# Altium PCB PCB_3U_RJ45.PCBDOC (part 3 of 3) (continued)
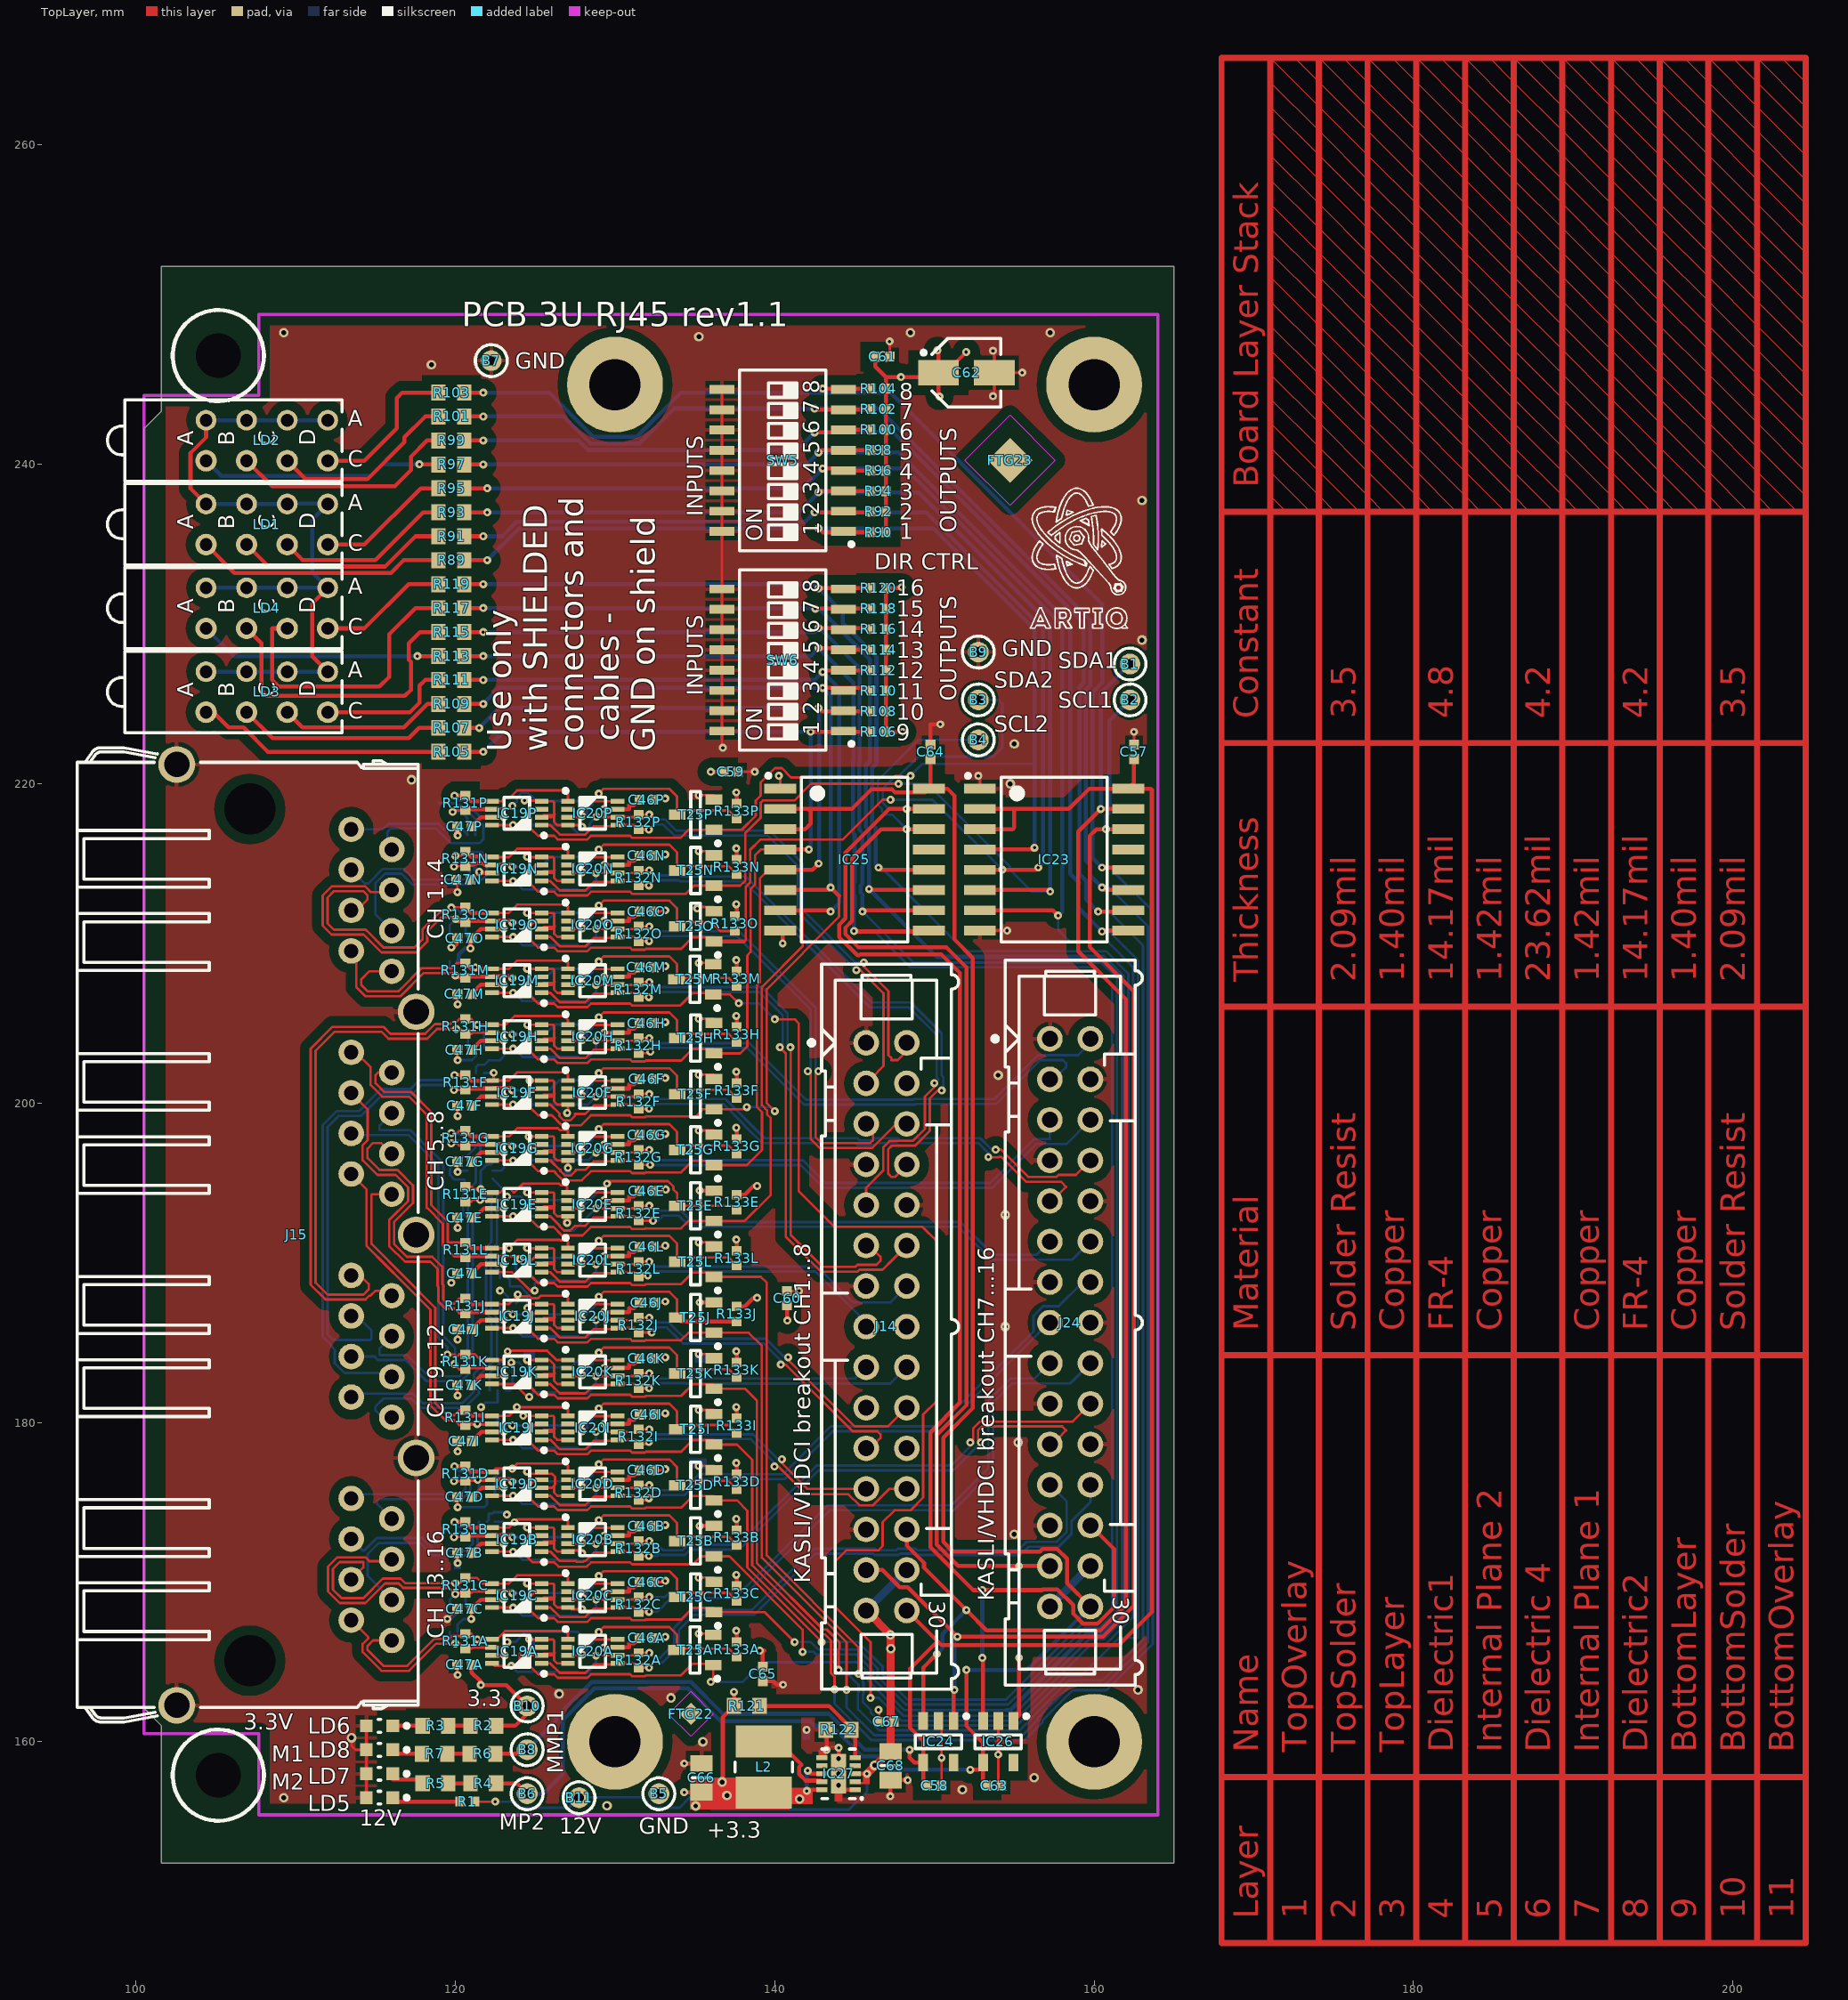
[diagram p0: TopLayer view]
## Nets (pads, with @x,y where several pads share a name; then routed paths per layer and width w, separated by ;. In a path a pad name is that pad's centre, name@x,y a point inside that pad or via, vN(x,y) a via of type N, cw(c..) or ccw(c..) an arc to the next point about the centre after c; other vN are vias at no path point) (continued)
NetLD1_7: LD1.7 R95.1 | length 8.4
  TopLayer w0.254: LD1.7@112.01,234.98 114.31,234.98 117.83,238.5 R95.1@118.95,238.5
NetLD2_1: LD2.1 R97.1 | length 15.3
  TopLayer w0.254: v1(117.754,240.005) 117.759,240 R97.1@118.95,240
  BottomLayer w0.254: LD2.1@104.39,240.23 105.344,239.276 114.705,239.276 115.434,240.005 v1(117.754,240.005)
NetLD2_3: LD2.3 R99.1 | length 14.4
  TopLayer w0.254: LD2.3@106.93,240.23 108.52,238.64 116.212,238.64 117.225,239.653 117.225,240.488 118.237,241.5 R99.1@118.95,241.5
NetLD2_5: LD2.5 R101.1 | length 11.8
  TopLayer w0.254: LD2.5@109.47,240.23 110.623,239.077 114.507,239.077 116.819,241.389 116.819,241.709 118.11,243 R101.1@118.95,243
NetLD2_7: LD2.7 R103.1 | length 9.8
  TopLayer w0.254: LD2.7@112.01,240.23 114.31,240.23 116.332,242.252 116.332,244.157 116.674,244.5 R103.1@118.95,244.5
NetLD3_1: LD3.1 R105.1 | length 15.6
  TopLayer w0.254: LD3.1@104.39,224.48 104.842,224.48 105.802,223.52 106.742,223.52 108.262,222 R105.1@118.95,222
NetLD3_3: LD3.3 R107.1 | length 13
  TopLayer w0.254: LD3.3@106.93,224.48 108.55,222.86 117.089,222.86 117.729,223.5 R107.1@118.95,223.5
NetLD3_5: LD3.5 R109.1 | length 10.5
  TopLayer w0.254: LD3.5@109.47,224.48 110.43,223.52 116.782,223.52 118.262,225 R109.1@118.95,225
NetLD3_7: LD3.7 R111.1 | length 8.4
  TopLayer w0.254: LD3.7@112.01,224.48 117.157,224.48 117.754,225.077 117.754,226.144 118.11,226.5 R111.1@118.95,226.5
NetLD4_1: LD4.1 R113.1 | length 15.3
  TopLayer w0.254: v1(117.621,227.99) 117.612,228 R113.1@118.95,228
  BottomLayer w0.254: LD4.1@104.39,229.73 106.13,227.99 v1(117.621,227.99)
NetLD4_3: LD4.3 R115.1 | length 19.1
  TopLayer w0.254: LD4.3@106.93,229.73 107.86,228.8 107.86,225.831 108.19,225.501 116.84,225.501 117.221,225.882 117.221,227.642 117.092,227.771 117.092,228.799 117.792,229.5 R115.1@118.95,229.5
NetLD4_5: LD4.5 R117.1 | length 18.4
  TopLayer w0.254: LD4.5@109.47,229.73 108.546,229.73 108.52,229.705 108.52,226.5 108.935,226.085 115.252,226.085 115.849,226.682 115.849,229.349 117.5,231 R117.1@118.95,231
NetLD4_7: LD4.7 R119.1 | length 8.1
  TopLayer w0.254: LD4.7@112.01,229.73 114.31,229.73 117.08,232.5 R119.1@118.95,232.5
NetLD5_2: LD5.2 R1.1 | length 4.2
  TopLayer w0.254: LD5.2@116.075,156.25 R1.1@120.28,156.25
NetLD6_2: LD6.2 R3.2 | length 1.9
  TopLayer w0.254: LD6.2@116.075,161 R3.2@117.95,161
NetLD7_2: LD7.2 R5.2 | length 2
  TopLayer w0.254: LD7.2@116.075,157.65 117.7,157.65 R5.2@117.95,157.4
NetLD8_2: LD8.2 R7.2 | length 1.9
  TopLayer w0.254: LD8.2@116.025,159.25 R7.2@117.9,159.25
NetR2_2: R2.2 R3.1 | length 1.4
  TopLayer w0.254: R3.1@119.55,161 R2.2@120.95,161
NetR4_2: R4.2 R5.1 | length 1.4
  TopLayer w0.254: R5.1@119.55,157.4 R4.2@120.95,157.4
NetR6_2: R6.2 R7.1 | length 1.4
  TopLayer w0.254: R7.1@119.5,159.25 R6.2@120.9,159.25
P3V3: B10.1 C46A.2 C46B.2 C46C.2 C46D.2 C46E.2 C46F.2 C46G.2 C46H.2 C46I.2 C46J.2 C46K.2 C46L.2 C46M.2 C46N.2 C46O.2 C46P.2 C47A.2 C47B.2 C47C.2 C47D.2 C47E.2 C47F.2 C47G.2 C47H.2 C47I.2 C47J.2 C47K.2 C47L.2 C47M.2 C47N.2 C47O.2 C47P.2 C59.2 C60.2 C61.2 C62.1 C65.2 C66.2 D1.5 D2.5 D3.5 D4.5 D5.5 D6.5 D7.5 D8.5 IC19A.7 IC19B.7 IC19C.7 IC19D.7 IC19E.7 IC19F.7 IC19G.7 IC19H.7 IC19I.7 IC19J.7 IC19K.7 IC19L.7 IC19M.7 IC19N.7 IC19O.7 IC19P.7 IC20A.7 IC20B.7 IC20C.7 IC20D.7 IC20E.7 IC20F.7 IC20G.7 IC20H.7 IC20I.7 IC20J.7 IC20K.7 IC20L.7 IC20M.7 IC20N.7 IC20O.7 IC20P.7 IC27.8 IC27.10 L2.2 LD1.2 LD1.4 LD1.6 LD1.8 LD2.2 LD2.4 LD2.6 LD2.8 LD3.2 LD3.4 LD3.6 LD3.8 LD4.2 LD4.4 LD4.6 LD4.8 R2.1 R90.2 R92.2 R94.2 R96.2 R98.2 R100.2 R102.2 R104.2 R106.2 R108.2 R110.2 R112.2 R114.2 R116.2 R118.2 R120.2 R121.2 R133A.2 R133B.2 R133C.2 R133D.2 R133E.2 R133F.2 R133G.2 R133H.2 R133I.2 R133J.2 R133K.2 R133L.2 R133M.2 R133N.2 R133O.2 R133P.2 | length 210.6
  TopLayer w0.152: v2(120.995,167.691) 120.995,168.294 C47C.2@121.027,168.326
  TopLayer w0.254: LD1.2@104.39,237.52 103.415,238.495 103.415,240.715 104.39,241.69 LD2.2@104.39,242.77 ; LD3.8@112.01,227.02 111.035,227.995 111.035,231.295 LD4.8@112.01,232.27 ; v2(120.945,209.691) 120.945,210.244 C47O.2@121.027,210.326 121.611,210.91 IC19O.7@122.304,210.91 v1(123.045,210.91) ; C47N.2@120.95,213.992 120.992,213.992 v2(121.497,214.497) ; C47A.2@121.027,164.826 121.027,164.334 121.593,163.768 v1(121.593,163.551) 123.199,163.551 B10.1@124.5,162.25 124.5,161.75 123.75,161 R2.1@122.55,161 ; C47C.2@121.027,168.326 121.611,168.91 IC19C.7@122.304,168.91 v1(123.045,168.91) ; C47B.2@121.027,171.826 121.611,172.41 IC19B.7@122.304,172.41 v1(123.045,172.41) ; C47D.2@121.027,175.326 121.064,175.326 121.649,175.91 IC19D.7@122.304,175.91 v1(123.045,175.91) ; C47I.2@121.027,178.826 121.049,178.826 121.633,179.41 IC19I.7@122.304,179.41 v1(123.045,179.41) ; C47K.2@121.027,182.326 121.611,182.91 IC19K.7@122.304,182.91 v1(123.106,182.91) ; C47J.2@121.027,185.826 121.611,186.41 IC19J.7@122.304,186.41 v1(123.045,186.41) ; C47L.2@121.027,189.326 121.611,189.91 IC19L.7@122.304,189.91 v1(123.045,189.91) ; C47E.2@121.027,192.826 121.199,192.826 121.783,193.41 IC19E.7@122.304,193.41 v1(123.045,193.41) ; C47G.2@121.027,196.326 121.611,196.91 IC19G.7@122.304,196.91 v1(123.045,196.91) ; C47F.2@121.027,199.826 121.611,200.41 IC19F.7@122.304,200.41 v1(123.045,200.41) ; C47H.2@121.027,203.326 121.611,203.91 IC19H.7@122.304,203.91 v1(123.045,203.91) ; C47M.2@121.027,206.826 121.611,207.41 IC19M.7@122.304,207.41 v1(123.045,207.41) ; C47N.2@121.027,213.826 C47N.2@121.072,213.87 ; C47P.2@121.027,217.326 121.611,217.91 IC19P.7@122.304,217.91 v1(123.045,217.91) ; v2@121.611,214.41 IC19N.7@122.304,214.41 ; IC19A.7@122.304,165.41 v1(123.106,165.41) ; v1(129.311,165.91) IC20A.7@130.153,165.91 130.884,165.91 130.884,166.166 131.199,166.166 C46A.2@131.532,166.498 ; v1(129.311,169.41) IC20C.7@130.153,169.41 130.884,169.41 130.884,169.666 131.199,169.666 C46C.2@131.532,169.998 ; v1(129.311,172.91) IC20B.7@130.153,172.91 130.884,172.91 130.884,173.166 131.199,173.166 C46B.2@131.532,173.498 ; v1(129.311,176.41) IC20D.7@130.153,176.41 130.884,176.41 130.884,176.666 131.199,176.666 C46D.2@131.532,176.998 ; v1(129.311,179.91) IC20I.7@130.153,179.91 130.884,179.91 130.884,180.166 131.199,180.166 C46I.2@131.532,180.498 ; v1(129.311,183.41) IC20K.7@130.153,183.41 130.884,183.41 130.884,183.666 131.199,183.666 C46K.2@131.532,183.998 ; v1(129.311,186.91) IC20J.7@130.153,186.91 130.884,186.91 130.884,187.166 131.199,187.166 C46J.2@131.532,187.498 ; v1(129.311,190.41) IC20L.7@130.153,190.41 130.884,190.41 130.884,190.666 131.199,190.666 C46L.2@131.532,190.998 ; v1(129.311,193.91) IC20E.7@130.153,193.91 130.884,193.91 130.884,194.166 131.199,194.166 C46E.2@131.532,194.498 ; v1(129.311,197.41) IC20G.7@130.153,197.41 130.884,197.41 130.884,197.666 131.199,197.666 C46G.2@131.532,197.998 ; v1(129.311,200.91) IC20F.7@130.153,200.91 130.884,200.91 130.884,201.166 131.199,201.166 C46F.2@131.532,201.498 ; v1(129.311,204.41) IC20H.7@130.153,204.41 130.884,204.41 130.884,204.666 131.199,204.666 C46H.2@131.532,204.998 ; v1(129.311,207.91) IC20M.7@130.153,207.91 130.884,207.91 130.884,208.166 131.199,208.166 C46M.2@131.532,208.498 ; v1(129.311,211.41) IC20O.7@130.153,211.41 130.884,211.41 130.884,211.666 131.199,211.666 C46O.2@131.532,211.998 ; v1(129.311,214.91) IC20N.7@130.153,214.91 130.884,214.91 130.884,215.166 131.199,215.166 C46N.2@131.532,215.498 ; v1(129.311,218.41) IC20P.7@130.153,218.41 130.884,218.41 130.884,218.666 131.199,218.666 C46P.2@131.532,218.998 ; v1(134.33,156.843) C66.2@135.407,156.843 ; v1(136,220.75) C59.2@136.8,220.75 ; v1(137.45,163.127) R121.2@137.45,162.25 136.75,161.55 136.75,157.407 137.338,156.82 L2.2@139.319,156.82 ; v1(137.595,166.959) 137.62,166.934 R133A.2@137.62,166.261 ; v1(137.595,170.459) 137.62,170.434 R133C.2@137.62,169.761 ; v1(137.595,173.959) 137.62,173.934 R133B.2@137.62,173.261 ; v1(137.595,177.459) 137.62,177.434 R133D.2@137.62,176.761 ; v1(137.595,180.959) 137.62,180.934 R133I.2@137.62,180.261 ; v1(137.595,184.459) 137.62,184.434 R133K.2@137.62,183.761 ; v1(137.595,191.459) 137.62,191.434 R133L.2@137.62,190.761 ; v1(137.595,198.459) 137.62,198.434 R133G.2@137.62,197.761 ; v1(137.595,201.959) 137.62,201.934 R133F.2@137.62,201.261 ; v1(137.595,205.459) 137.62,205.434 R133H.2@137.62,204.761 ; v1(137.595,208.959) 137.62,208.934 R133M.2@137.62,208.261 ; v1(137.595,212.459) 137.62,212.434 R133O.2@137.62,211.761 ; v1(137.595,215.959) 137.62,215.934 R133N.2@137.62,215.261 ; v1(137.595,219.459) 137.62,219.434 R133P.2@137.62,218.761 ; R133J.2@137.62,187.261 138.122,187.261 138.668,187.807 v1(138.895,187.807) ; R133E.2@137.62,194.261 138.122,194.261 138.668,194.807 v1(138.895,194.807) ; L2.2@138.25,156.9 139.599,156.9 L2.2@139.519,156.82 ; v1(139.065,165.71) 139.36,165.71 139.25,165.6 C65.2@139.25,164.7 ; L2.2@139.599,156.9 139.499,157 IC27.10@142.95,157 ; C60.2@140.767,187.332 140.767,186.411 v1(140.792,186.385) ; v1(142.062,158.191) 142.253,158 IC27.8@142.95,158 ; C61.2@146.3,246.75 146.3,246.14 146.97,245.47 ; R90.2@146.97,235.75 R92.2@146.97,237.036 R94.2@146.97,238.321 R96.2@146.97,239.607 R98.2@146.97,240.893 R100.2@146.97,242.179 R102.2@146.97,243.464 R104.2@146.97,244.75 146.97,245.47 ; v1(147.955,232.308) 147.897,232.25 R120.2@146.97,232.25 R118.2@146.97,230.964 R116.2@146.97,229.679 R114.2@146.97,228.393 R112.2@146.97,227.107 R110.2@146.97,225.821 R108.2@146.97,224.536 R106.2@146.97,223.25 v1(148,223.25) ; v1(150.19,247.145) 150.25,247.086 C62.1@150.25,245.75 ; v1(150.317,244.246) 150.25,244.314 C62.1@150.25,245.75 ; v1(151.994,247.04) 150.703,245.75 C62.1@150.25,245.75 ; 146.97,245.47 v1(147.904,245.47) 149.97,245.47 C62.1@150.25,245.75
  BottomLayer w0.152: D8.5@120.145,166.901 120.145,167.341 120.495,167.691 v2(120.995,167.691) ; D5.5@121.3,201.885 121.3,202.277 121.421,202.399 121.814,202.399 122.09,202.675 122.775,202.675 123.045,202.945 v1(123.045,203.91) ; D7.5@121.975,173.785 122.096,173.906 122.096,174.299 122.324,174.299 122.4,174.375 123.075,174.375 v2(123.225,174.225) ; D6.5@122.345,195.764 122.864,195.764 123.045,195.945 v1(123.045,196.91) ; D4.5@122.65,180.435 122.65,179.805 v1(123.045,179.41) ; v2(122.8,188.25) 122.925,188.25 123.3,187.875 D3.5@123.3,187.46
  BottomLayer w0.254: LD3.2@104.39,227.02 LD3.6@109.47,227.02 109.47,227.025 111.004,227.025 111.009,227.02 LD3.8@112.01,227.02 ; LD4.2@104.39,232.27 LD4.4@106.93,232.27 LD4.6@109.47,232.27 109.47,232.283 110.996,232.283 111.009,232.27 LD4.8@112.01,232.27 111.035,233.245 111.035,236.545 LD1.8@112.01,237.52 111.989,237.541 109.491,237.541 LD1.6@109.47,237.52 LD1.4@106.93,237.52 LD1.2@104.39,237.52 ; LD2.2@104.39,242.77 LD2.4@106.93,242.77 LD2.6@109.47,242.77 109.47,242.773 110.473,242.773 110.476,242.77 LD2.8@112.01,242.77 ; D2.5@120.145,208.901 120.216,208.971 120.216,209.301 120.605,209.691 v2(120.945,209.691) ; D1.5@121.25,215.21 121.25,214.612 121.365,214.497 v2(121.497,214.497) ; v1(142.011,156.921) 142.011,158.14 v1(142.062,158.191)
  other v3: 135.052,155.981 141.554,156.413 137.008,156.642 137.008,156.642 136.703,157.48
P3V3_MP1: B8.1 C57.2 C58.2 IC23.2 IC23.3 IC23.16 IC24.4 J14.30 R6.1 | length 126.7
  TopLayer w0.254: R6.1@122.5,159.25 124.25,159.25 B8.1@124.5,159.5 ; J14.30@148.27,168.22 150.25,166.24 ; v2(148.45,159.5) 148.45,159 148.75,158.7 IC24.4@149.3,158.7 ; C58.2@149.55,157.25 149.3,157.5 IC24.4@149.3,158.7 ; IC23.3@152.85,217.155 154.905,217.155 155,217.25 155,218.425 ; IC23.2@152.85,218.425 158.425,218.425 159.695,219.695 IC23.16@162.15,219.695 ; C57.2@162.5,221.55 162.5,220.045 IC23.16@162.15,219.695 ; IC24.4@149.3,158.7 149.3,160.055 148.47,160.885 148.47,164.569 150.141,166.24 150.25,166.24 ; 150.25,166.24 150.442,166.048 161.548,166.048 163.619,168.119 163.619,219.631 163.555,219.695 IC23.16@162.15,219.695
  BottomLayer w0.254: B8.1@124.5,159.5 126.314,161.314 126.314,161.527 128.538,163.75 134.75,163.75 136.75,161.75 143.4,161.75 145.643,159.507 146.662,159.507 146.669,159.5 v2(148.45,159.5)
P3V3_MP2: B6.1 C63.2 C64.2 IC25.2 IC25.3 IC25.16 IC26.4 J24.30 R4.1 | length 131.6
  TopLayer w0.254: R4.1@122.55,157.4 123.85,157.4 B6.1@124.5,156.75 ; IC25.3@140.35,217.155 141.905,217.155 142.25,217.5 142.25,218.25 142.075,218.425 ; IC25.2@140.35,218.425 142.075,218.425 ; C64.2@149.75,221.55 149.75,219.795 IC25.16@149.65,219.695 ; v1(152,164.5) 152,161 153.05,159.95 IC26.4@153.05,158.7 IC26.4@153.05,158.55 ; v2(152.25,158.25) 152.75,158.25 IC26.4@153.05,158.55 ; C63.2@153.3,157.25 153.05,157.5 IC26.4@153.05,158.55 ; J24.30@159.77,168.47 158.309,169.931 158.309,171.457 157.677,172.089 156.783,172.089 156.612,171.918 151.156,171.918 150.556,172.519 150.556,179.05 152.406,180.901 152.406,209.094 151.25,210.25 151.25,219.25 150.805,219.695 IC25.16@149.65,219.695 ; 142.075,218.425 144.831,218.425 146.051,219.644 147.357,219.644 147.531,219.471 149.426,219.471 IC25.16@149.65,219.695
  BottomLayer w0.254: B6.1@124.5,156.75 125.5,156.75 126.721,157.971 126.721,161.358 128.706,163.344 134.571,163.344 136.635,161.279 142.219,161.279 142.498,161 143.575,161 145.475,159.101 146.493,159.101 146.833,158.761 146.833,158.667 147.25,158.25 v2(152.25,158.25) ; v1(152,164.5) 155.8,164.5 J24.30@159.77,168.47
P12V0: B11.1 C67.2 C68.2 IC27.2 IC27.3 J14.28 J14.29 J24.28 J24.29 R1.2 | length 46.9
  TopLayer w0.152: R1.2@121.22,156.25 v2(122.5,156.25)
  TopLayer w0.254: IC27.3@145.05,158 v1(145.777,158)
  TopLayer w0.508: J14.29@145.73,168.22 v3(147.25,166.7) 147.25,161.745 147.266,161.745 147.266,159.416 C68.2@147.25,159.4 147.183,159.4 145.783,158 v1(145.777,158)
  BottomLayer w0.152: v2(122.5,156.25) 123.757,156.25 124.136,155.871 127.121,155.871 B11.1@127.75,156.5 127.778,156.528 131.729,156.528 132.386,155.871 134.036,155.871 134.675,156.51 135.271,156.51 136.028,155.753 144.653,155.753 145.777,156.877 v1(145.777,158)
  BottomLayer w0.508: J14.29@145.73,168.22 J14.28@148.27,170.76 ; J24.29@157.23,168.47 J24.28@159.77,171.01
  other v3: 146.253,158.521 147.269,165.837
pads on no net: FTG21.FTG2 FTG22.1 FTG23.1 FTG24.1 IC20A.2 IC20B.2 IC20C.2 IC20D.2 IC20E.2 IC20F.2 IC20G.2 IC20H.2 IC20I.2 IC20J.2 IC20K.2 IC20L.2 IC20M.2 IC20N.2 IC20O.2 IC20P.2 IC23.13 IC24.5 IC25.13 IC26.5 IC27.4 IC27.7 J15.M1 J15.M2
copper on no net: | length 2675.9
  TopLayer w0.025: 171.031,238.037 172.039,237.029 ; 171.031,239.561 173.563,237.029 ; 171.031,241.085 174.079,238.037 175.087,237.029 ; 171.031,242.609 174.079,239.561 176.611,237.029 ; 171.031,244.133 174.079,241.085 177.127,238.037 178.135,237.029 ; 171.031,245.657 174.079,242.609 177.127,239.561 179.659,237.029 ; 171.031,247.181 174.079,244.133 177.127,241.085 180.175,238.037 181.183,237.029 ; 171.031,248.705 174.079,245.657 177.127,242.609 180.175,239.561 182.707,237.029 ; 171.031,250.229 174.079,247.181 177.127,244.133 180.175,241.085 183.223,238.037 184.231,237.029 ; 171.031,251.753 174.079,248.705 177.127,245.657 180.175,242.609 183.223,239.561 185.755,237.029 ; 171.031,253.277 174.079,250.229 177.127,247.181 180.175,244.133 183.223,241.085 186.271,238.037 187.279,237.029 ; 171.031,254.801 174.079,251.753 177.127,248.705 180.175,245.657 183.223,242.609 186.271,239.561 188.803,237.029 ; 171.031,256.325 174.079,253.277 177.127,250.229 180.175,247.181 183.223,244.133 186.271,241.085 189.319,238.037 190.327,237.029 ; 171.031,257.849 174.079,254.801 177.127,251.753 180.175,248.705 183.223,245.657 186.271,242.609 189.319,239.561 191.851,237.029 ; 171.031,259.373 174.079,256.325 177.127,253.277 180.175,250.229 183.223,247.181 186.271,244.133 189.319,241.085 192.367,238.037 193.375,237.029 ; 171.031,260.897 174.079,257.849 177.127,254.801 180.175,251.753 183.223,248.705 186.271,245.657 189.319,242.609 192.367,239.561 194.899,237.029 ; 171.031,262.421 174.079,259.373 177.127,256.325 180.175,253.277 183.223,250.229 186.271,247.181 189.319,244.133 192.367,241.085 195.415,238.037 196.423,237.029 ; 171.031,263.945 174.079,260.897 177.127,257.849 180.175,254.801 183.223,251.753 186.271,248.705 189.319,245.657 192.367,242.609 195.415,239.561 197.947,237.029 ; 171.031,265.469 174.079,262.421 177.127,259.373 180.175,256.325 183.223,253.277 186.271,250.229 189.319,247.181 192.367,244.133 195.415,241.085 198.463,238.037 199.471,237.029 ; 172.555,265.469 174.079,263.945 177.127,260.897 180.175,257.849 183.223,254.801 186.271,251.753 189.319,248.705 192.367,245.657 195.415,242.609 198.463,239.561 200.995,237.029 ; 174.079,265.469 177.127,262.421 180.175,259.373 183.223,256.325 186.271,253.277 189.319,250.229 192.367,247.181 195.415,244.133 198.463,241.085 201.511,238.037 202.519,237.029 ; 175.603,265.469 177.127,263.945 180.175,260.897 183.223,257.849 186.271,254.801 189.319,251.753 192.367,248.705 195.415,245.657 198.463,242.609 201.511,239.561 204.043,237.029 ; 177.127,265.469 180.175,262.421 183.223,259.373 186.271,256.325 189.319,253.277 192.367,250.229 195.415,247.181 198.463,244.133 201.511,241.085 204.559,238.037 ; 178.651,265.469 180.175,263.945 183.223,260.897 186.271,257.849 189.319,254.801 192.367,251.753 195.415,248.705 198.463,245.657 201.511,242.609 204.559,239.561 ; 180.175,265.469 183.223,262.421 186.271,259.373 189.319,256.325 192.367,253.277 195.415,250.229 198.463,247.181 201.511,244.133 204.559,241.085 ; 181.699,265.469 183.223,263.945 186.271,260.897 189.319,257.849 192.367,254.801 195.415,251.753 198.463,248.705 201.511,245.657 204.559,242.609 ; 183.223,265.469 186.271,262.421 189.319,259.373 192.367,256.325 195.415,253.277 198.463,250.229 201.511,247.181 204.559,244.133 ; 184.747,265.469 186.271,263.945 189.319,260.897 192.367,257.849 195.415,254.801 198.463,251.753 201.511,248.705 204.559,245.657 ; 186.271,265.469 189.319,262.421 192.367,259.373 195.415,256.325 198.463,253.277 201.511,250.229 204.559,247.181 ; 187.795,265.469 189.319,263.945 192.367,260.897 195.415,257.849 198.463,254.801 201.511,251.753 204.559,248.705 ; 189.319,265.469 192.367,262.421 195.415,259.373 198.463,256.325 201.511,253.277 204.559,250.229 ; 190.843,265.469 192.367,263.945 195.415,260.897 198.463,257.849 201.511,254.801 204.559,251.753 ; 192.367,265.469 195.415,262.421 198.463,259.373 201.511,256.325 204.559,253.277 ; 193.891,265.469 195.415,263.945 198.463,260.897 201.511,257.849 204.559,254.801 ; 195.415,265.469 198.463,262.421 201.511,259.373 204.559,256.325 ; 196.939,265.469 198.463,263.945 201.511,260.897 204.559,257.849 ; 198.463,265.469 201.511,262.421 204.559,259.373 ; 199.987,265.469 201.511,263.945 204.559,260.897 ; 201.511,265.469 204.559,262.421 ; 203.035,265.469 204.559,263.945
  TopLayer w0.381: 167.983,157.802 204.559,157.802 ; 167.983,184.211 204.559,184.211 ; 167.983,206.049 204.559,206.049 ; 167.983,222.555 204.559,222.555 ; 167.983,237.029 204.559,237.029 ; 171.031,147.391 171.031,265.469 ; 174.079,147.391 174.079,157.802 174.079,184.211 174.079,206.049 174.079,222.555 174.079,237.029 174.079,265.469 ; 177.127,147.391 177.127,157.802 177.127,184.211 177.127,206.049 177.127,222.555 177.127,237.029 177.127,265.469 ; 180.175,147.391 180.175,157.802 180.175,184.211 180.175,206.049 180.175,222.555 180.175,237.029 180.175,265.469 ; 183.223,147.391 183.223,157.802 183.223,184.211 183.223,206.049 183.223,222.555 183.223,237.029 183.223,265.469 ; 186.271,147.391 186.271,157.802 186.271,184.211 186.271,206.049 186.271,222.555 186.271,237.029 186.271,265.469 ; 189.319,147.391 189.319,157.802 189.319,184.211 189.319,206.049 189.319,222.555 189.319,237.029 189.319,265.469 ; 192.367,147.391 192.367,157.802 192.367,184.211 192.367,206.049 192.367,222.555 192.367,237.029 192.367,265.469 ; 195.415,147.391 195.415,157.802 195.415,184.211 195.415,206.049 195.415,222.555 195.415,237.029 195.415,265.469 ; 198.463,147.391 198.463,157.802 198.463,184.211 198.463,206.049 198.463,222.555 198.463,237.029 198.463,265.469 ; 201.511,147.391 201.511,157.802 201.511,184.211 201.511,206.049 201.511,222.555 201.511,237.029 201.511,265.469 ; 204.559,157.802 204.559,147.391 167.983,147.391 167.983,265.469 204.559,265.469 204.559,237.029 ; 204.559,157.802 204.559,184.211 ; 204.559,184.211 204.559,206.049 ; 204.559,206.049 204.559,222.555 ; 204.559,222.555 204.559,237.029

## Polygon pours and split planes (outlines as drawn)
GND on TopLayer "Top Overlay-No Net" (solid, remove dead copper, pour order 0): 164.719,252.654 165,252.373 165,152.4 101.448,152.4 101.27,152.222 101.879,152.832 101.879,252.654
GND on BottomLayer "Top Overlay-No Net" (solid, remove dead copper, pour order 2): 165,152.4 101.829,152.4 101.651,152.222 101.27,152.603 101.27,253.136 164.948,253.136 165.202,252.882
P12V0 on Internal Plane 2 (split plane): 161.849,170.937 161.849,167.313 159.937,165.401 150.25,165.401 150.211,165.396 150.174,165.381 150.143,165.357 148.614,163.828 148.59,163.796 148.574,163.76 148.569,163.721 148.569,156.783 147.36,155.574 141.19,155.574 139.901,156.863 139.901,167.187 144.563,171.849 160.937,171.849
P3V3 on Internal Plane 2 (split plane): 164.49,152.91 102.11,152.91 102.11,161 102.101,161.1 102.072,161.195 102.024,161.284 101.961,161.361 101.01,162.311 101.01,242.039 101.961,242.989 102.024,243.066 102.072,243.155 102.101,243.25 102.11,243.35 102.11,251.889 164.49,251.889
GND on Internal Plane 1 (split plane): 164.49,152.91 102.11,152.91 102.11,161 102.101,161.1 102.072,161.195 102.024,161.284 101.961,161.361 101.01,162.311 101.01,242.039 101.961,242.989 102.024,243.066 102.072,243.155 102.101,243.25 102.11,243.35 102.11,251.889 164.49,251.889

## Keep-outs
KeepOutLayer:
  lines w0.203: 100.5,160.503 100.5,244.323 107.696,244.323 107.696,249.403 164,249.403 164,155.423 107.696,155.423 107.696,160.503 100.5,160.503

## Other copper
TopLayer:
  rectangle net GND: 119.925,216.775 120.35,217.275
  rectangle net GND: 143.5,159.627 144,159.75
  rectangle net GND: 143.75,156.25 144.25,157
  rectangle net LVDS5_N: 131.699,189.198 132.055,189.306
  rectangle net P3V3: 140.132,156.083 142.392,157.074
  rectangle net P3V3: 134.696,155.753 140.945,157.759
  rectangle net GND: 126.746,192.456 127.254,192.862
  rectangle net GND: 142.748,158.979 143.25,159.5
  rectangle net P12V0: 145.542,157.378 145.948,158.039
  rectangle net P12V0: 145.05,157.353 145.948,157.5
  rectangle net GND: 141.5,187.788 141.677,188.5
  text "Board Layer Stack" at 170.269,238.553 h1.52 r90
  text "Constant" at 170.269,224.079 h1.52 r90
  text "3.5" at 176.365,224.079 h1.52 r90
  text "4.8" at 182.461,224.079 h1.52 r90
  text "4.2" at 188.557,224.079 h1.52 r90
  text "4.2" at 194.653,224.079 h1.52 r90
  text "3.5" at 200.749,224.079 h1.52 r90
  text "Thickness" at 170.269,207.573 h1.52 r90
  text "2.09mil" at 176.365,207.573 h1.52 r90
  text "1.40mil" at 179.413,207.573 h1.52 r90
  text "14.17mil" at 182.461,207.573 h1.52 r90
  text "1.42mil" at 185.509,207.573 h1.52 r90
  text "23.62mil" at 188.557,207.573 h1.52 r90
  text "1.42mil" at 191.605,207.573 h1.52 r90
  text "14.17mil" at 194.653,207.573 h1.52 r90
  text "1.40mil" at 197.701,207.573 h1.52 r90
  text "2.09mil" at 200.749,207.573 h1.52 r90
  text "Material" at 170.269,185.735 h1.52 r90
  text "Solder Resist" at 176.365,185.735 h1.52 r90
  text "Copper" at 179.413,185.735 h1.52 r90
  text "FR-4" at 182.461,185.735 h1.52 r90
  text "Copper" at 185.509,185.735 h1.52 r90
  text "Copper" at 191.605,185.735 h1.52 r90
  text "FR-4" at 194.653,185.735 h1.52 r90
  text "Copper" at 197.701,185.735 h1.52 r90
  text "Solder Resist" at 200.749,185.735 h1.52 r90
  text "Name" at 170.269,159.326 h1.52 r90
  text "TopOverlay" at 173.317,159.326 h1.52 r90
  text "TopSolder" at 176.365,159.326 h1.52 r90
  text "TopLayer" at 179.413,159.326 h1.52 r90
  text "Dielectric1" at 182.461,159.326 h1.52 r90
  text "Internal Plane 2" at 185.509,159.326 h1.52 r90
  text "Dielectric 4" at 188.557,159.326 h1.52 r90
  text "Internal Plane 1" at 191.605,159.326 h1.52 r90
  text "Dielectric2" at 194.653,159.326 h1.52 r90
  text "BottomLayer" at 197.701,159.326 h1.52 r90
  text "BottomSolder" at 200.749,159.326 h1.52 r90
  text "BottomOverlay" at 203.797,159.326 h1.52 r90
  text "Layer" at 170.269,148.915 h1.52 r90
  text "1" at 173.317,148.915 h1.52 r90
  text "2" at 176.365,148.915 h1.52 r90
  text "3" at 179.413,148.915 h1.52 r90
  text "4" at 182.461,148.915 h1.52 r90
  text "5" at 185.509,148.915 h1.52 r90
  text "6" at 188.557,148.915 h1.52 r90
  text "7" at 191.605,148.915 h1.52 r90
  text "8" at 194.653,148.915 h1.52 r90
  text "9" at 197.701,148.915 h1.52 r90
  text "10" at 200.749,148.915 h1.52 r90
  text "11" at 203.797,148.915 h1.52 r90
  text "change LED assignment" at 88.7,90.45 h10 r90
BottomLayer:
  rectangle net GND: 124.275,183.925 125,184.5
  rectangle net GND: 141.75,160.125 142.225,160.8
  rectangle net GND: 126.8,199.1 127.225,199.425
  rectangle net GND: 119.925,170.796 120.375,171.2
  rectangle net GND: 126.82,195.5 127.25,195.86
  rectangle net GND: 124.25,194.41 124.75,194.96
  rectangle net GND: 135,183.75 135.75,184.25
  rectangle net GND: 124.541,165.836 125,166.422
  rectangle net GND: 134.628,177.111 135.75,177.75
  text "change LED assignment" at 66.175,113.3 h10 r90
Internal Plane 2 (plane layer: these items are gaps in the copper):
  lines w0.3: 139.75,156.8 139.75,167.25 144.5,172 147,172 161,172 162,171 162,167.25 160,165.25 150.25,165.25 148.721,163.721 148.721,156.721 147.423,155.423 141.127,155.423 139.75,156.8

## Silkscreen, mask and mechanical layers (free items; w line width, h text height)
TopOverlay:
  drawing of 1218 lines, arcs and shapes, not listed
  text "PCB 3U RJ45 rev1.1" at 120.396,248.641 h1.52
  text "GND" at 123.75,246 h1
  text "8" at 147.803,244.069 h1.02
  text "7" at 147.803,242.817 h1.02
  text "6" at 147.803,241.565 h1.02
  text "5" at 147.803,240.313 h1.02
  text "4" at 147.803,239.061 h1.02
  text "3" at 147.803,237.809 h1.02
  text "INPUTS" at 135.5,236.75 h1.02 r90
  text "2" at 147.803,236.557 h1.02
  text "OUTPUTS" at 151.359,235.712 h1.02 r90
  text "1" at 147.803,235.306 h1.02
  text "DIR CTRL" at 146.253,233.426 h1.02
  text "16" at 147.599,231.775 h1.02
  text "15" at 147.599,230.48 h1.02
  text "14" at 147.599,229.184 h1.02
  text "GND" at 154.25,228 h1
  text "13" at 147.599,227.889 h1.02
  text "SDA1" at 157.75,227.25 h1
  text "12" at 147.599,226.593 h1.02
  text "SDA2" at 153.75,226 h1
  text "INPUTS" at 135.5,225.5 h1.02 r90
  text "11" at 147.599,225.298 h1.02
  text "OUTPUTS" at 151.359,225.171 h1.02 r90
  text "SCL1" at 157.75,224.75 h1
  text "10" at 147.599,224.003 h1.02
  text "SCL2" at 153.75,223.25 h1
  text "9" at 147.599,222.707 h1.02
  text "Use only  / with SHIELDED  / connectors and /  cables -  / GND on shield" at 132.5,222 h1.5 r90
  text "CH 1..4" at 119.25,210.25 h1 r90
  text "CH 5..8" at 119.25,194.5 h1 r90
  text "CH 9..12" at 119.25,180.27 h1 r90
  text "KASLI/VHDCI breakout CH1...8" at 142.215,169.926 h1.02 r90
  text "KASLI/VHDCI breakout CH7...16" at 153.746,168.808 h1.02 r90
  text "CH 13..16" at 119.25,166.451 h1 r90
  text "3.3" at 120.75,162.25 h1
  text "3.3V" at 106.75,160.75 h1
  text "M1" at 108.5,158.75 h1
  text "MMP1" at 126.75,158 h1 r90
  text "M2" at 108.5,157 h1
  text "12V" at 114,154.75 h1
  text "MP2" at 122.75,154.5 h1
  text "12V" at 126.5,154.25 h1
  text "GND" at 131.5,154.25 h1
  text "+3.3" at 135.75,154 h1.02
BottomOverlay:
  drawing of 1216 lines, arcs and shapes, not listed
  text "PCB 3U RJ45 rev1.1" at 146.507,248.717 h1.52
Mechanical1:
  the board outline again, w0.508

## Text inside footprints (layer, text, board x,y; h text height)
J14: TopOverlay "30" at 149.667,168.855 h1.02 r270; Mechanical14 "30" at 149.667,168.855 h1.02 r270
J24: TopOverlay "30" at 161.167,169.105 h1.02 r270; Mechanical14 "30" at 161.167,169.105 h1.02 r270
LD1: TopOverlay "C" at 113.28,234.599 h1; TopOverlay "A" at 113.28,237.139 h1; TopOverlay "A" at 103.609,235.919 h1 r90; TopOverlay "B" at 106.149,235.919 h1 r90; TopOverlay "C" at 108.689,235.919 h1 r90; TopOverlay "D" at 111.229,235.919 h1 r90; Mechanical14 "A" at 113.28,237.139 h1; Mechanical14 "C" at 113.28,234.599 h1; Mechanical14 "A" at 103.609,235.919 h1 r90; Mechanical14 "B" at 106.149,235.919 h1 r90; Mechanical14 "C" at 108.689,235.919 h1 r90; Mechanical14 "D" at 111.229,235.919 h1 r90
LD2: TopOverlay "C" at 113.28,239.849 h1; TopOverlay "A" at 113.28,242.389 h1; TopOverlay "A" at 103.609,241.169 h1 r90; TopOverlay "B" at 106.149,241.169 h1 r90; TopOverlay "C" at 108.689,241.169 h1 r90; TopOverlay "D" at 111.229,241.169 h1 r90; Mechanical14 "A" at 113.28,242.389 h1; Mechanical14 "C" at 113.28,239.849 h1; Mechanical14 "A" at 103.609,241.169 h1 r90; Mechanical14 "B" at 106.149,241.169 h1 r90; Mechanical14 "C" at 108.689,241.169 h1 r90; Mechanical14 "D" at 111.229,241.169 h1 r90
LD3: TopOverlay "C" at 113.28,224.099 h1; TopOverlay "A" at 113.28,226.639 h1; TopOverlay "A" at 103.609,225.419 h1 r90; TopOverlay "B" at 106.149,225.419 h1 r90; TopOverlay "C" at 108.689,225.419 h1 r90; TopOverlay "D" at 111.229,225.419 h1 r90; Mechanical14 "A" at 113.28,226.639 h1; Mechanical14 "C" at 113.28,224.099 h1; Mechanical14 "A" at 103.609,225.419 h1 r90; Mechanical14 "B" at 106.149,225.419 h1 r90; Mechanical14 "C" at 108.689,225.419 h1 r90; Mechanical14 "D" at 111.229,225.419 h1 r90
LD4: TopOverlay "C" at 113.28,229.349 h1; TopOverlay "A" at 113.28,231.889 h1; TopOverlay "A" at 103.609,230.669 h1 r90; TopOverlay "B" at 106.149,230.669 h1 r90; TopOverlay "C" at 108.689,230.669 h1 r90; TopOverlay "D" at 111.229,230.669 h1 r90; Mechanical14 "A" at 113.28,231.889 h1; Mechanical14 "C" at 113.28,229.349 h1; Mechanical14 "A" at 103.609,230.669 h1 r90; Mechanical14 "B" at 106.149,230.669 h1 r90; Mechanical14 "C" at 108.689,230.669 h1 r90; Mechanical14 "D" at 111.229,230.669 h1 r90
SW5: TopOverlay "1" at 142.786,235.551 h1 r90; TopOverlay "2" at 142.786,236.821 h1 r90; TopOverlay "ON" at 139.23,235.17 h1 r90; TopOverlay "3" at 142.786,238.091 h1 r90; TopOverlay "4" at 142.786,239.361 h1 r90; TopOverlay "5" at 142.786,240.631 h1 r90; TopOverlay "6" at 142.786,241.901 h1 r90; TopOverlay "7" at 142.786,243.171 h1 r90; TopOverlay "8" at 142.786,244.441 h1 r90; Mechanical14 "1" at 142.776,235.551 h1 r90; Mechanical14 "2" at 142.776,236.821 h1 r90; Mechanical14 "ON" at 139.22,235.17 h1 r90; Mechanical14 "3" at 142.776,238.091 h1 r90; Mechanical14 "4" at 142.776,239.361 h1 r90; Mechanical14 "5" at 142.776,240.631 h1 r90; Mechanical14 "6" at 142.776,241.901 h1 r90; Mechanical14 "7" at 142.776,243.171 h1 r90; Mechanical14 "8" at 142.776,244.441 h1 r90
SW6: TopOverlay "1" at 142.786,223.051 h1 r90; TopOverlay "2" at 142.786,224.321 h1 r90; TopOverlay "ON" at 139.23,222.67 h1 r90; TopOverlay "3" at 142.786,225.591 h1 r90; TopOverlay "4" at 142.786,226.861 h1 r90; TopOverlay "5" at 142.786,228.131 h1 r90; TopOverlay "6" at 142.786,229.401 h1 r90; TopOverlay "7" at 142.786,230.671 h1 r90; TopOverlay "8" at 142.786,231.941 h1 r90; Mechanical14 "1" at 142.776,223.051 h1 r90; Mechanical14 "2" at 142.776,224.321 h1 r90; Mechanical14 "ON" at 139.22,222.67 h1 r90; Mechanical14 "3" at 142.776,225.591 h1 r90; Mechanical14 "4" at 142.776,226.861 h1 r90; Mechanical14 "5" at 142.776,228.131 h1 r90; Mechanical14 "6" at 142.776,229.401 h1 r90; Mechanical14 "7" at 142.776,230.671 h1 r90; Mechanical14 "8" at 142.776,231.941 h1 r90